# Altium PCB track_kit_test.PcbDoc
Units mm, origin at the board's own origin, x right, y up, seen from the top; angles counter-clockwise.
Board outline 60 x 185 mm, 2 copper layers (Top Layer, Bottom Layer), stack 1.571 mm thick; 20 components, 71 nets, 61 pads, 0 vias.
Unrouted connection lines stored in the file: 11.
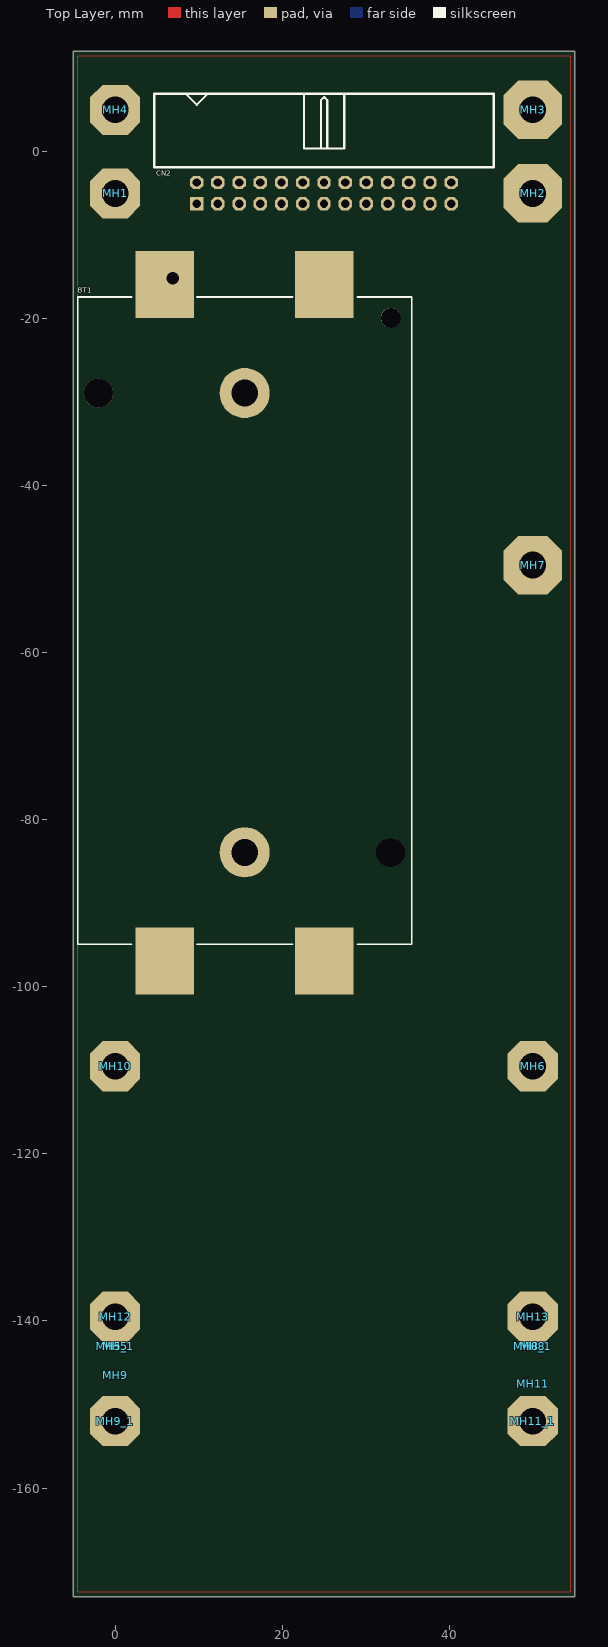
[diagram p0: Top Layer view]
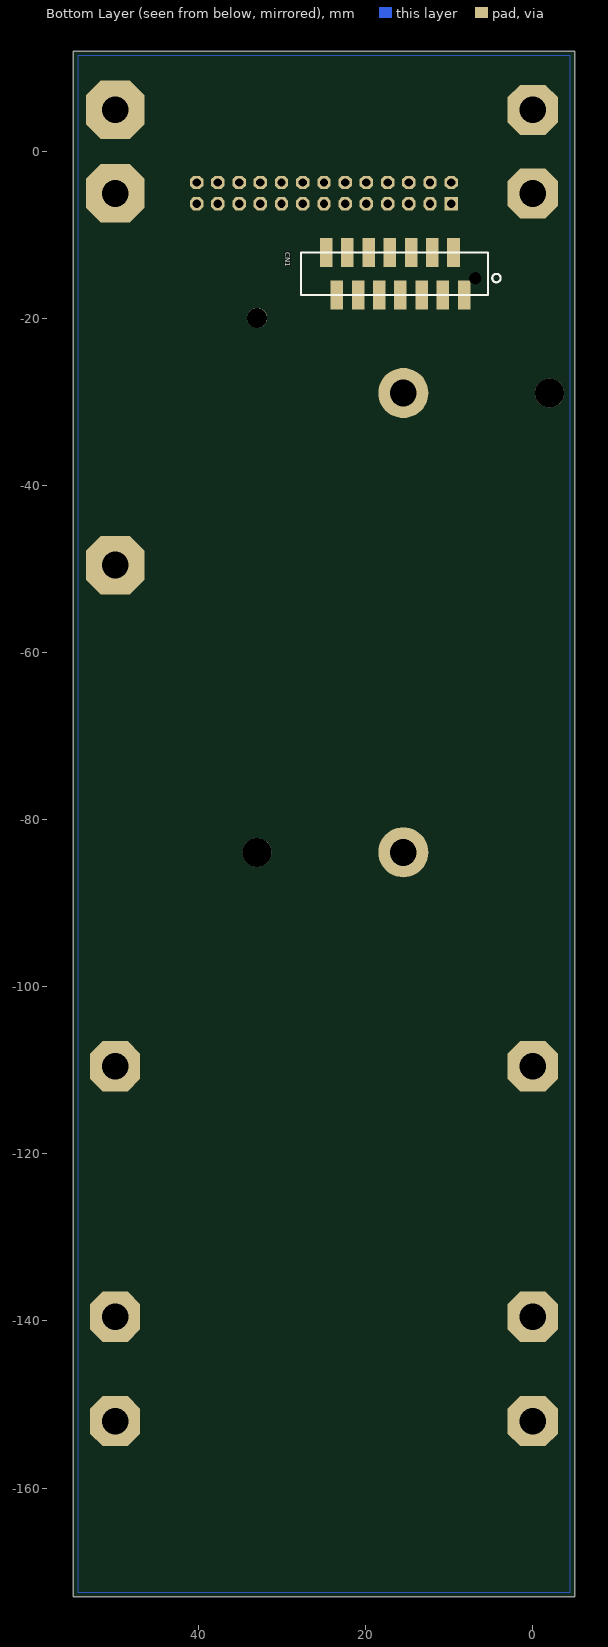
[diagram p1: Bottom Layer view, seen from below]

## Layer stack, top to bottom
Top Solder: solder mask 0.0102, Solder Resist, Dk 3.5
Top Layer: signal copper 0.0356
Dielectric 1: dielectric 1.5, FR-4, Dk 4.8
Bottom Layer: signal copper 0.0356
Bottom Solder: solder mask 0.0102, Solder Resist, Dk 3.5

## Board outline
-5,-173 55,-173 55,12 -5,12

## Design rules (kind name [scope] priority, off if disabled: settings)
Clearance Clearance_1 [OnLayer('Mechanical 3')] p1: gap=0.5 ignorepadtopadclearanceinfootprint=FALSE
Clearance [All] p2: gap=0.2 ignorepadtopadclearanceinfootprint=FALSE
ComponentClearance [All] p1: gap=0.2 collisioncheckmode=3 verticalgap=0.2 showdistances=FALSE
HoleSize [All] p1: absolutevalues=TRUE maxlimit=3.2 minlimit=0.025 maxpercent=80.000 minpercent=20.000
PolygonConnect [All] p1: thpad.connectstyle=Relief thpad.reliefconductorwidth=0.6 thpad.reliefentries=4 thpad.polygonreliefangle="90 Angle" thpad.airgapwidth=0.254 smdpad.connectstyle=Relief smdpad.reliefconductorwidth=0.6 smdpad.reliefentries=4 smdpad.polygonreliefangle="90 Angle" smdpad.airgapwidth=0.254 via.connectstyle=Direct via.reliefconductorwidth=0.6 via.reliefentries=4 via.polygonreliefangle="90 Angle" via.airgapwidth=0.254
RoomDefinition mechanical [InComponentClass('mechanical')] p1: confinementstyle=ConfineIn formatcopy=TRUE lockcomponents=FALSE outline -22.4,-192.3 73.1,-192.3 73.1,36.5 -22.4,36.5
RoomDefinition main_connector [InComponentClass('main_connector')] p2: confinementstyle=ConfineIn formatcopy=TRUE lockcomponents=FALSE outline -24.7,-196.1 86.7,-196.1 86.7,53.9 -24.7,53.9
RoutingVias [All] p1: holewidth=0.4 width=1 viastyle="Through Hole" minholewidth=0.3 minwidth=0.6 maxholewidth=0.4 maxwidth=1
SilkToSolderMaskClearance [IsPad] p1: minsilkscreentomaskgap=0 clearancetoexposedcopper=TRUE
SolderMaskExpansion [All] p1: expansion=0.102
Width [All] p1: maxlimit=4 minlimit=0.28 preferedwidth=0.6
27 further rules are at their usual default settings.

## Classes and differential pairs
component class lights: CN1 D16 D17
component class power: D5 R14 R15 R16
component class motor_drivers: C21 C22 C23
component class mechanical: MH1 MH2 MH3 MH4 MH5 MH6 MH7 MH8 MH9 MH10 MH11
component class main_connector: CN2 Q10 Q? R31 R32

## Components (designator, comment, footprint, x,y, rotation, side; value= is the part's Value field where it differs from the comment)
BT1 "KEYSTONE 1048" KEYSTONE_1048_W_18650 15.5,-56.4 r90 top
CN1 "TMM-6-L-14-2" MM_14_SMD_LCK_W_CN 16.48,-14.63 r180 bottom locked
CN2 "IDC Connector" IDC26_RA_LONG_W_CN 25,-4.97 r0 top locked
MH1 "MHOLE 3mm" "3mm screw drill I"#1 0,-5 r0 top
MH2 "MHOLE 3mm" "3mm screw drill I"#2 50,-5 r0 top
MH3 "MHOLE 3mm" "3mm screw drill I"#2 50,5 r0 top
MH4 "MHOLE 3mm" "3mm screw drill I"#1 0,5 r0 top
MH5 "MHOLE 3mm" "3mm screw drill I"#3 0,-143 r0 top
MH5_1 "MHOLE 3mm" "3mm screw drill I"#3 0,-143 r0 top (schematic designator MH5)
MH6 "MHOLE 3mm" "3mm screw drill I"#1 50,-109.5 r0 top
MH7 "MHOLE 3mm" "3mm screw drill I"#2 50,-49.5 r0 top
MH8 "MHOLE 3mm" "3mm screw drill I"#3 50,-143 r0 top
MH8_1 "MHOLE 3mm" "3mm screw drill I"#3 50,-143 r0 top (schematic designator MH8)
MH9 "MHOLE 3mm" "3mm screw drill I"#3 0,-146.5 r0 top
MH9_1 "MHOLE 3mm" "3mm screw drill I"#1 0,-152 r0 top (schematic designator MH9)
MH10 "MHOLE 3mm" "3mm screw drill I"#1 0,-109.5 r0 top
MH11 "MHOLE 3mm" "3mm screw drill I"#3 50,-147.5 r0 top
MH11_1 "MHOLE 3mm" "3mm screw drill I"#1 50,-152 r0 top (schematic designator MH11)
MH12 "MHOLE 3mm" "3mm screw drill I"#1 0,-139.5 r180 top (schematic designator MH9)
MH13 "MHOLE 3mm" "3mm screw drill I"#1 50,-139.5 r180 top (schematic designator MH9)

## Footprints (in the part's own frame and the unit in brackets; to place one, negate y for a bottom-side part, rotate by r counter-clockwise, add the part's x,y. Pads: shape width x height; smd on the part's side, far side on the other; paste and mask are expansions set on the pad)
"3mm screw drill I"#1 [mm]
  oct 6x6 hole 3.2: 1(0,0)
"3mm screw drill I"#2 [mm]
  oct 7x7 hole 3.2: 1(0,0)
"3mm screw drill I"#3 [mm]
IDC26_RA_LONG_W_CN [mm] "2.54mm, 26 Pin IDC Male Connector, Right Angle"
  rect 1.6x1.6 hole 1: 1(-15.24,-1.27)
  oct 1.6x1.6 hole 1: 2(-15.24,1.27) 3(-12.7,-1.27) 4(-12.7,1.27) 5(-10.16,-1.27) 6(-10.16,1.27) 7(-7.62,-1.27) 8(-7.62,1.27) 9(-5.08,-1.27) 10(-5.08,1.27) 11(-2.54,-1.27) 12(-2.54,1.27) 13(0,-1.27) 14(0,1.27) 15(2.54,-1.27) 16(2.54,1.27) 17(5.08,-1.27) 18(5.08,1.27) 19(7.62,-1.27) 20(7.62,1.27) 21(10.16,-1.27) 22(10.16,1.27) 23(12.7,-1.27) 24(12.7,1.27) 25(15.24,-1.27) 26(15.24,1.27)
  silkscreen extent -20.32,3.1 20.32,11.9, body extent -20.37,-1.64 20.31,21.3, height 9.13
KEYSTONE_1048_W_18650 [mm] "SMT double 18650 LiPo Holder"
  rect 8x7 smd: 1(-40.5,9.555) 2(40.5,9.555) 3(-40.5,-9.555) 4(40.5,-9.555)
  round 6 hole 3.2: M1(-27.5,0) M2(27.5,0)
  round 3.45 hole 3.5: M3(-27.5,-17.505) M4(27.5,17.505)
  round 2.4 hole 2.4: M5(36.5,-17.505)
  silkscreen extent -38.5,-20 39,20, body extent -42.88,-19.9 43.07,19.88, height 14.88
MM_14_SMD_LCK_W_CN [mm] "16 Pin MicroMatch Connector With Lock"
  round 0 hole 1.5: 0(9.59,-0.53)
  rect 1.5x3.5 smd: 1(8.255,-2.54) 2(6.985,2.54) 3(5.715,-2.54) 4(4.445,2.54) 5(3.175,-2.54) 6(1.905,2.54) 7(0.635,-2.54) 8(-0.635,2.54) 9(-1.905,-2.54) 10(-3.175,2.54) 11(-4.445,-2.54) 12(-5.715,2.54) 13(-6.985,-2.54) 14(-8.255,2.54)
  silkscreen extent -11.26,-2.54 12.63,2.54, body extent -11.12,-3.45 11.13,3.47, height 8.5

## Part data
BT1: library part 18650_x2, "2x 18650 LiPo Acu in the KEYSTONE 1048 Holder", Published=14-Sep-2006
CN1: "14-pin MicroMarch Female Socket With Locking Mechanism, Vertical, SMD"
CN2: library part CN_13x2
MH1 MH2 MH3 MH4 MH5 MH5_1 MH6 MH7 MH8 MH8_1 MH9 MH9_1 MH10 MH11 MH11_1 MH12 MH13: library part MHOLE_3MM, "3mm Mounting Hole"

## Nets (pads, with @x,y where several pads share a name; then routed paths per layer and width w, separated by ;. In a path a pad name is that pad's centre, name@x,y a point inside that pad or via, vN(x,y) a via of type N, cw(c..) or ccw(c..) an arc to the next point about the centre after c; other vN are vias at no path point)
3V3: MH10.1
5V0: 
7V2: BT1.1
7V2_SW: 
EN_LEFT: CN2.18
EN_RIGHT: CN2.17
FB_3V3: 
FB_5V: 
GND: CN1.1 CN1.3 CN1.5 CN1.7 CN1.9 CN2.4 CN2.6 CN2.22 MH1.1 MH2.1 MH3.1 MH4.1 MH6.1 MH7.1 MH9_1.1 MH11_1.1 MH12.1 MH13.1
LD1: CN1.14 CN2.13
LD2: CN1.12 CN2.11
LD3: CN1.10 CN2.9
LD4: CN1.8 CN2.7
LD5: CN1.6 CN2.5
LD6: CN1.4 CN2.3
LEDON: CN1.13 CN2.14
LIGHTS_FRONT: CN2.10
LIGHTS_REAR: CN2.8
LIGHTS_TURN_LEFT: CN2.2
LIGHTS_TURN_RIGHT: CN2.1
NetBT1_2: BT1.2 BT1.4
NetC5_2: 
NetC6_2: 
NetC10_2: 
NetC11_2: 
NetC12_1: 
NetC12_2: 
NetC14_2: 
NetCN2_21: CN2.21
NetCN2_23: CN2.23 CN2.24
NetCN2_25: CN2.25 CN2.26
NetD1_2: 
NetD2_2: 
NetD3_2: 
NetD4_2: 
NetD5_2: 
NetD6_1: 
NetD6_2: 
NetD10_1: 
NetD10_2: 
NetD16_1: 
NetD16_2: 
NetD18_1: 
NetD18_2: 
NetP1_0: 
NetP2_0: 
NetP3_0: 
NetP4_0: 
NetQ1_3: 
NetQ1_4: 
NetQ2_2: 
NetQ3_3: 
NetQ3_4: 
NetQ4_2: 
NetQ5_1: 
NetQ5_4: 
NetQ5_5: 
NetQ10_1: 
NetQ11_2: 
NetQ12_1: 
NetQ13_2: 
NetQ14_1: 
NetQ15_2: 
NetR18_1: 
NetR20_1: 
nSLEEP_LEFT: CN2.20
nSLEEP_RIGHT: CN2.19
PACK_GND: BT1.3
PH_LEFT: CN2.16
PH_RIGHT: CN2.15
SYSTEM_VCC: CN1.11 CN2.12
pads on no net: BT1.M1 BT1.M2 BT1.M3 BT1.M4 BT1.M5 CN1.0 CN1.2

## Polygon pours and split planes (outlines as drawn)
GND on Top Layer "GND" (solid, remove dead copper, shelved, pour order 0): -4.5,11.5 54.5,11.5 54.5,-172.5 -4.5,-172.5
GND on Bottom Layer "GND" (solid, remove dead copper, shelved, pour order 2): -4.5,11.5 54.5,11.5 54.5,-172.5 -4.5,-172.5

## Silkscreen, mask and mechanical layers (free items; w line width, h text height)
Top Overlay:
  text "poprawić diody czerwone i pomarańczowe (już są po zamianie A i K)" at -19.7,26.1 h1.52
  text "poprawic obrys glownego zlacza" at -17.4,23 h1.52
  text "cofnac koncowki mocy jesli skracana jest plyta" at -105.1,-127.5 h1.52
Mechanical 1:
  text "aktualnie zostal sktocony o 5,5mm - idealnie byłoby gdyby dojść do 13mm?" at 66.4,-125.4 h1.52 r90
Mechanical 2:
  circle w0.2: c50,-10 r0.707
  circle w0.2: c50,0 r0.707
  circle w0.2: c50,-130 r0.707
  circle w0.2: c0,-130 r0.707
  circle w0.2: c0,-10 r0.707
  circle w0.2: c0,0 r0.707
  lines w0.2: -5,-155 -5,5 55,5 55,-155 -5,-155
Mechanical 3:
  lines w0.254: -5,-185 55,-185 55,-15.5 55,12 -5,12 -5,-15.5 -5,-185

## Dimensions
-5,-185 to 55,-185 on Mechanical 1
-5,12 to -5,-185 on Mechanical 1